# KiCad board Led_clock_sector.kicad_pcb
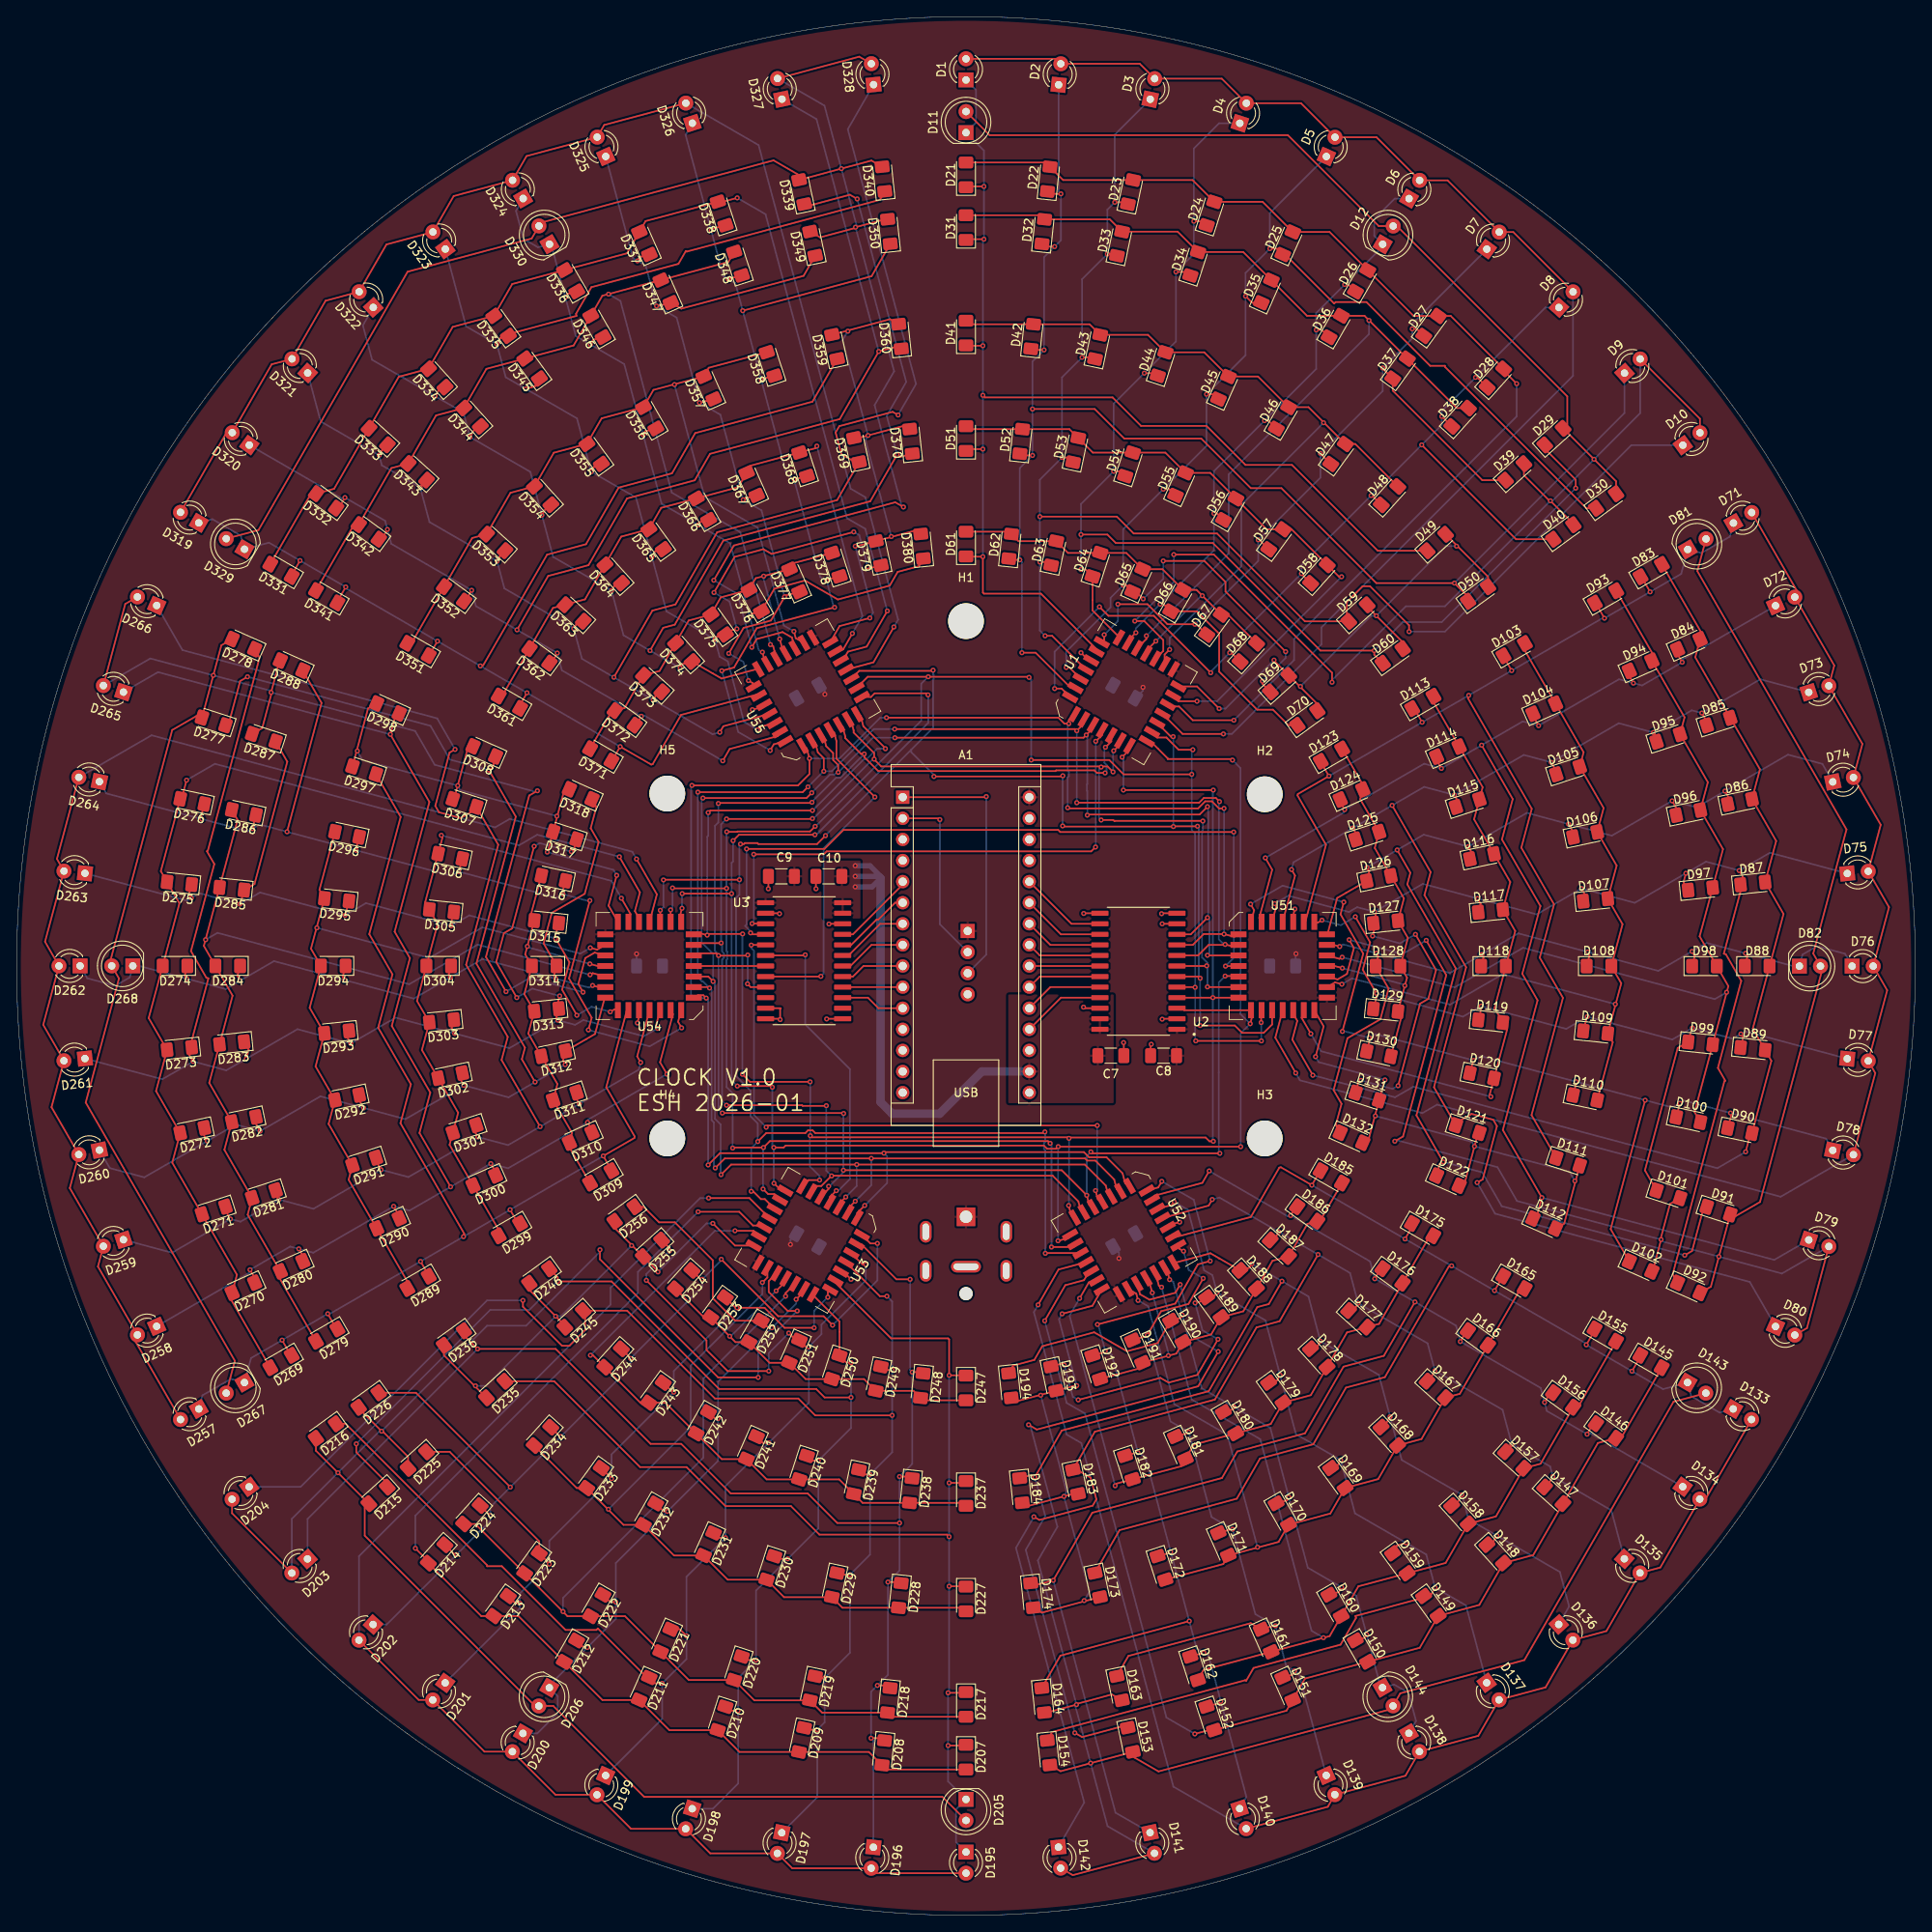
[diagram p0: board, top side]
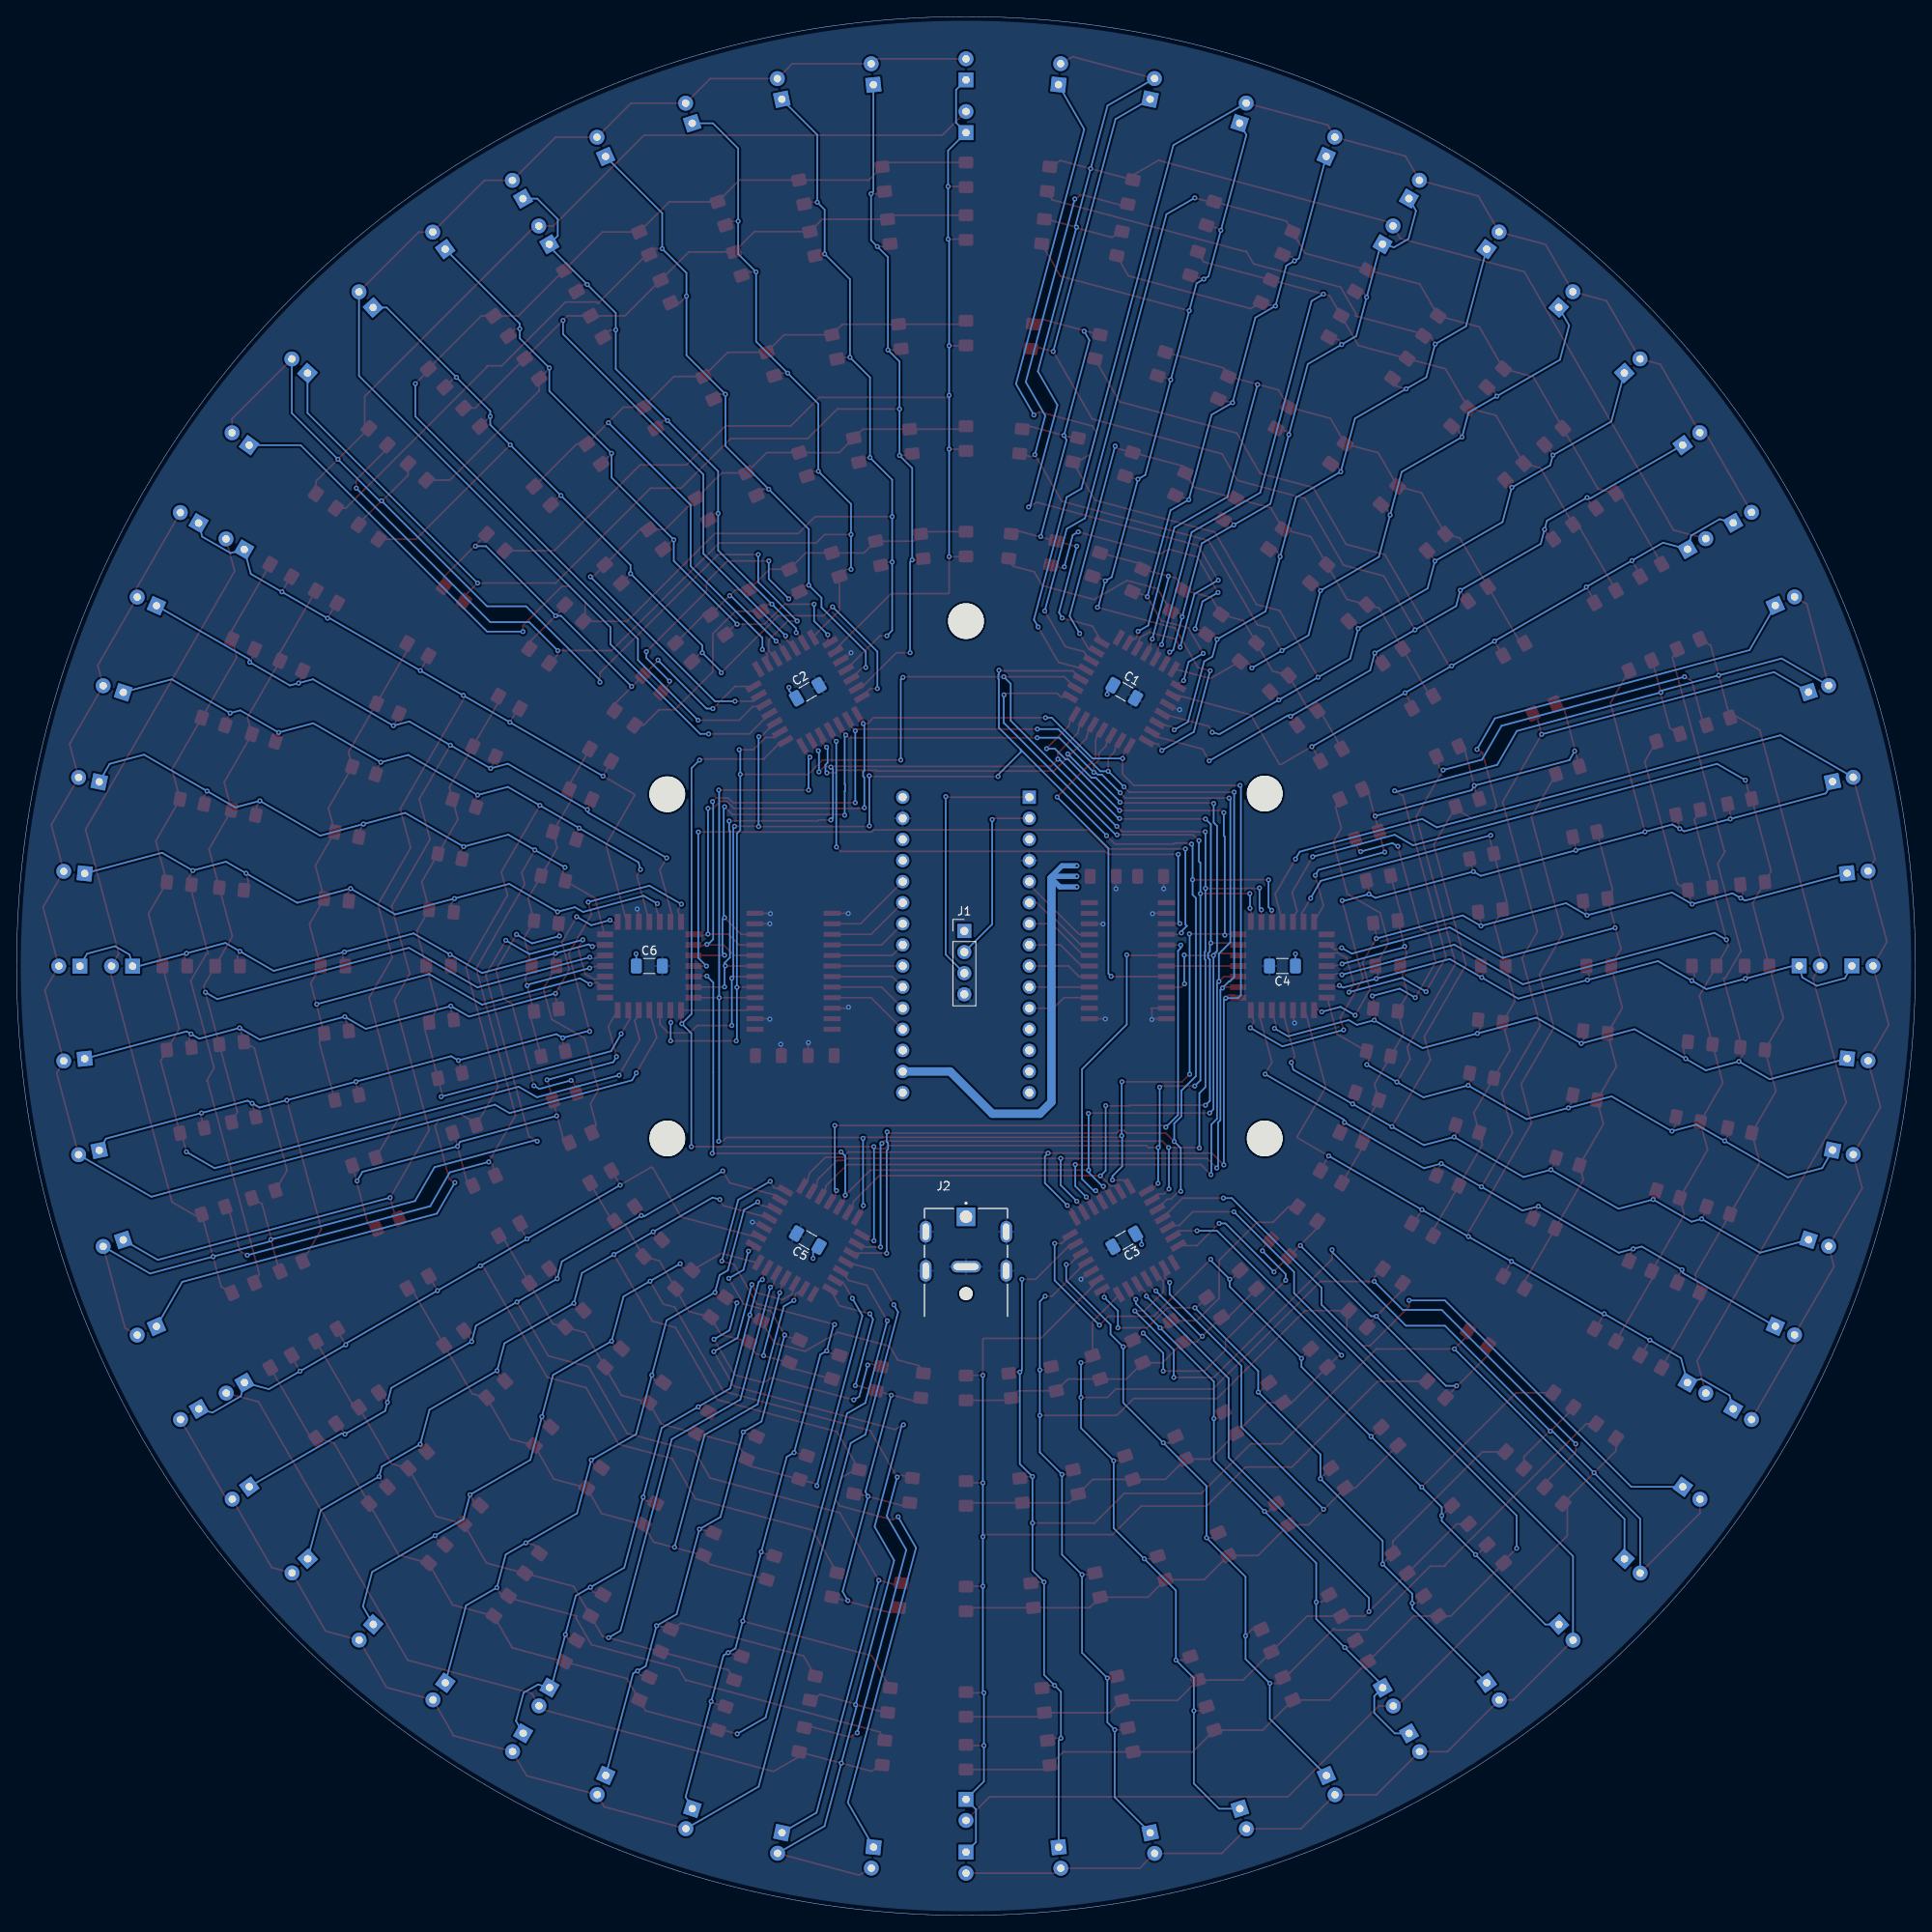
[diagram p1: board, bottom side, seen from below]

Outline 228.6 x 228.6 mm; copper layers: Top, Bottom. Coordinates in mm from the lower left corner of the outline.
Outline path: circle c114.3,114.3 r114.3

## Placement (name value [footprint] x y rotation side)
A1  Arduino_Nano_ESP32  [Arduino_Nano]  106.68 134.62 0 top
C1  0.1uF  [C_1206_3216Metric_Pad1.33x1.80mm_HandSolder]  95.25 147.32 210 bottom
C2  0.1uF  [C_1206_3216Metric_Pad1.33x1.80mm_HandSolder]  133.35 147.32 150 bottom
C3  0.1uF  [C_1206_3216Metric_Pad1.33x1.80mm_HandSolder]  95.25 81.28 330 bottom
C4  0.1uF  [C_1206_3216Metric_Pad1.33x1.80mm_HandSolder]  76.2 114.3 0 bottom
C5  0.1uF  [C_1206_3216Metric_Pad1.33x1.80mm_HandSolder]  133.35 81.31 30 bottom
C6  0.1uF  [C_1206_3216Metric_Pad1.33x1.80mm_HandSolder]  152.43 114.3 180 bottom
C7  0.1uF  [C_1206_3216Metric_Pad1.33x1.80mm_HandSolder]  131.74 103.51 0 top
C8  0.1uF  [C_1206_3216Metric_Pad1.33x1.80mm_HandSolder]  138.09 103.51 180 top
C9  0.1uF  [C_1206_3216Metric_Pad1.33x1.80mm_HandSolder]  92.08 125.1 180 top
C10  0.1uF  [C_1206_3216Metric_Pad1.33x1.80mm_HandSolder]  97.79 125.1 180 top
D1  LED  [LED_D3.0mm]  114.3 220.98 90 top
D2  LED  [LED_D3.0mm]  125.45 220.4 84 top
D3  LED  [LED_D3.0mm]  136.48 218.65 78 top
D4  LED  [LED_D3.0mm]  147.27 215.76 72 top
D5  LED  [LED_D3.0mm]  157.69 211.76 66 top
D6  LED  [LED_D3.0mm]  167.64 206.69 60 top
D7  LED  [LED_D3.0mm]  177 200.61 54 top
D8  LED  [LED_D3.0mm]  185.68 193.58 48 top
D9  LED  [LED_D3.0mm]  193.58 185.68 42 top
D10  LED  [LED_D3.0mm]  200.61 177 36 top
D11  LED  [LED_D5.0mm]  114.3 214.63 90 top
D12  LED  [LED_D5.0mm]  164.47 201.19 60 top
D21  LED  [LED_1206_3216Metric_Pad1.42x1.75mm_HandSolder]  114.3 209.55 90 top
D22  LED  [LED_1206_3216Metric_Pad1.42x1.75mm_HandSolder]  124.26 209.03 84 top
D23  LED  [LED_1206_3216Metric_Pad1.42x1.75mm_HandSolder]  134.1 207.47 78 top
D24  LED  [LED_1206_3216Metric_Pad1.42x1.75mm_HandSolder]  143.73 204.89 72 top
D25  LED  [LED_1206_3216Metric_Pad1.42x1.75mm_HandSolder]  153.04 201.32 66 top
D26  LED  [LED_1206_3216Metric_Pad1.42x1.75mm_HandSolder]  161.93 196.79 60 top
D27  LED  [LED_1206_3216Metric_Pad1.42x1.75mm_HandSolder]  170.29 191.36 54 top
D28  LED  [LED_1206_3216Metric_Pad1.42x1.75mm_HandSolder]  178.03 185.08 48 top
D29  LED  [LED_1206_3216Metric_Pad1.42x1.75mm_HandSolder]  185.08 178.03 42 top
D30  LED  [LED_1206_3216Metric_Pad1.42x1.75mm_HandSolder]  191.36 170.29 36 top
D31  LED  [LED_1206_3216Metric_Pad1.42x1.75mm_HandSolder]  114.3 203.2 90 top
D32  LED  [LED_1206_3216Metric_Pad1.42x1.75mm_HandSolder]  123.59 202.71 84 top
D33  LED  [LED_1206_3216Metric_Pad1.42x1.75mm_HandSolder]  132.78 201.26 78 top
D34  LED  [LED_1206_3216Metric_Pad1.42x1.75mm_HandSolder]  141.77 198.85 72 top
D35  LED  [LED_1206_3216Metric_Pad1.42x1.75mm_HandSolder]  150.46 195.51 66 top
D36  LED  [LED_1206_3216Metric_Pad1.42x1.75mm_HandSolder]  158.75 191.29 60 top
D37  LED  [LED_1206_3216Metric_Pad1.42x1.75mm_HandSolder]  166.55 186.22 54 top
D38  LED  [LED_1206_3216Metric_Pad1.42x1.75mm_HandSolder]  173.79 180.37 48 top
D39  LED  [LED_1206_3216Metric_Pad1.42x1.75mm_HandSolder]  180.37 173.79 42 top
D40  LED  [LED_1206_3216Metric_Pad1.42x1.75mm_HandSolder]  186.22 166.55 36 top
D41  LED  [LED_1206_3216Metric_Pad1.42x1.75mm_HandSolder]  114.3 190.5 90 top
D42  LED  [LED_1206_3216Metric_Pad1.42x1.75mm_HandSolder]  122.27 190.08 84 top
D43  LED  [LED_1206_3216Metric_Pad1.42x1.75mm_HandSolder]  130.14 188.83 78 top
D44  LED  [LED_1206_3216Metric_Pad1.42x1.75mm_HandSolder]  137.85 186.77 72 top
D45  LED  [LED_1206_3216Metric_Pad1.42x1.75mm_HandSolder]  145.29 183.91 66 top
D46  LED  [LED_1206_3216Metric_Pad1.42x1.75mm_HandSolder]  152.4 180.29 60 top
D47  LED  [LED_1206_3216Metric_Pad1.42x1.75mm_HandSolder]  159.09 175.95 54 top
D48  LED  [LED_1206_3216Metric_Pad1.42x1.75mm_HandSolder]  165.29 170.93 48 top
D49  LED  [LED_1206_3216Metric_Pad1.42x1.75mm_HandSolder]  170.93 165.29 42 top
D50  LED  [LED_1206_3216Metric_Pad1.42x1.75mm_HandSolder]  175.95 159.09 36 top
D51  LED  [LED_1206_3216Metric_Pad1.42x1.75mm_HandSolder]  114.3 177.8 90 top
D52  LED  [LED_1206_3216Metric_Pad1.42x1.75mm_HandSolder]  120.94 177.45 84 top
D53  LED  [LED_1206_3216Metric_Pad1.42x1.75mm_HandSolder]  127.5 176.41 78 top
D54  LED  [LED_1206_3216Metric_Pad1.42x1.75mm_HandSolder]  133.92 174.69 72 top
D55  LED  [LED_1206_3216Metric_Pad1.42x1.75mm_HandSolder]  140.13 172.31 66 top
D56  LED  [LED_1206_3216Metric_Pad1.42x1.75mm_HandSolder]  146.05 169.29 60 top
D57  LED  [LED_1206_3216Metric_Pad1.42x1.75mm_HandSolder]  151.62 165.67 54 top
D58  LED  [LED_1206_3216Metric_Pad1.42x1.75mm_HandSolder]  156.79 161.49 48 top
D59  LED  [LED_1206_3216Metric_Pad1.42x1.75mm_HandSolder]  161.49 156.79 42 top
D60  LED  [LED_1206_3216Metric_Pad1.42x1.75mm_HandSolder]  165.67 151.62 36 top
D61  LED  [LED_1206_3216Metric_Pad1.42x1.75mm_HandSolder]  114.3 165.1 90 top
D62  LED  [LED_1206_3216Metric_Pad1.42x1.75mm_HandSolder]  119.61 164.82 84 top
D63  LED  [LED_1206_3216Metric_Pad1.42x1.75mm_HandSolder]  124.86 163.99 78 top
D64  LED  [LED_1206_3216Metric_Pad1.42x1.75mm_HandSolder]  130 162.61 72 top
D65  LED  [LED_1206_3216Metric_Pad1.42x1.75mm_HandSolder]  134.96 160.71 66 top
D66  LED  [LED_1206_3216Metric_Pad1.42x1.75mm_HandSolder]  139.7 158.29 60 top
D67  LED  [LED_1206_3216Metric_Pad1.42x1.75mm_HandSolder]  144.16 155.4 54 top
D68  LED  [LED_1206_3216Metric_Pad1.42x1.75mm_HandSolder]  148.29 152.05 48 top
D69  LED  [LED_1206_3216Metric_Pad1.42x1.75mm_HandSolder]  152.05 148.29 42 top
D70  LED  [LED_1206_3216Metric_Pad1.42x1.75mm_HandSolder]  155.4 144.16 36 top
D71  LED  [LED_D3.0mm]  206.69 167.63 30 top
D72  LED  [LED_D3.0mm]  211.76 157.68 24 top
D73  LED  [LED_D3.0mm]  215.76 147.25 18 top
D74  LED  [LED_D3.0mm]  218.65 136.47 12 top
D75  LED  [LED_D3.0mm]  220.4 125.44 6 top
D76  LED  [LED_D3.0mm]  220.98 114.29 0 top
D77  LED  [LED_D3.0mm]  220.4 103.14 354 top
D78  LED  [LED_D3.0mm]  218.65 92.11 348 top
D79  LED  [LED_D3.0mm]  215.76 81.32 342 top
D80  LED  [LED_D3.0mm]  211.76 70.9 336 top
D81  LED  [LED_D5.0mm]  201.19 164.45 30 top
D82  LED  [LED_D5.0mm]  214.63 114.29 0 top
D83  LED  [LED_1206_3216Metric_Pad1.42x1.75mm_HandSolder]  196.79 161.91 30 top
D84  LED  [LED_1206_3216Metric_Pad1.42x1.75mm_HandSolder]  201.32 153.03 24 top
D85  LED  [LED_1206_3216Metric_Pad1.42x1.75mm_HandSolder]  204.89 143.72 18 top
D86  LED  [LED_1206_3216Metric_Pad1.42x1.75mm_HandSolder]  207.47 134.09 12 top
D87  LED  [LED_1206_3216Metric_Pad1.42x1.75mm_HandSolder]  209.03 124.24 6 top
D88  LED  [LED_1206_3216Metric_Pad1.42x1.75mm_HandSolder]  209.55 114.29 0 top
D89  LED  [LED_1206_3216Metric_Pad1.42x1.75mm_HandSolder]  209.03 104.33 354 top
D90  LED  [LED_1206_3216Metric_Pad1.42x1.75mm_HandSolder]  207.47 94.48 348 top
D91  LED  [LED_1206_3216Metric_Pad1.42x1.75mm_HandSolder]  204.89 84.85 342 top
D92  LED  [LED_1206_3216Metric_Pad1.42x1.75mm_HandSolder]  201.32 75.55 336 top
D93  LED  [LED_1206_3216Metric_Pad1.42x1.75mm_HandSolder]  191.29 158.74 30 top
D94  LED  [LED_1206_3216Metric_Pad1.42x1.75mm_HandSolder]  195.52 150.45 24 top
D95  LED  [LED_1206_3216Metric_Pad1.42x1.75mm_HandSolder]  198.85 141.76 18 top
D96  LED  [LED_1206_3216Metric_Pad1.42x1.75mm_HandSolder]  201.26 132.77 12 top
D97  LED  [LED_1206_3216Metric_Pad1.42x1.75mm_HandSolder]  202.72 123.58 6 top
D98  LED  [LED_1206_3216Metric_Pad1.42x1.75mm_HandSolder]  203.2 114.29 0 top
D99  LED  [LED_1206_3216Metric_Pad1.42x1.75mm_HandSolder]  202.72 105 354 top
D100  LED  [LED_1206_3216Metric_Pad1.42x1.75mm_HandSolder]  201.26 95.8 348 top
D101  LED  [LED_1206_3216Metric_Pad1.42x1.75mm_HandSolder]  198.85 86.82 342 top
D102  LED  [LED_1206_3216Metric_Pad1.42x1.75mm_HandSolder]  195.52 78.13 336 top
D103  LED  [LED_1206_3216Metric_Pad1.42x1.75mm_HandSolder]  180.3 152.39 30 top
D104  LED  [LED_1206_3216Metric_Pad1.42x1.75mm_HandSolder]  183.92 145.28 24 top
D105  LED  [LED_1206_3216Metric_Pad1.42x1.75mm_HandSolder]  186.77 137.83 18 top
D106  LED  [LED_1206_3216Metric_Pad1.42x1.75mm_HandSolder]  188.84 130.13 12 top
D107  LED  [LED_1206_3216Metric_Pad1.42x1.75mm_HandSolder]  190.09 122.25 6 top
D108  LED  [LED_1206_3216Metric_Pad1.42x1.75mm_HandSolder]  190.5 114.29 0 top
D109  LED  [LED_1206_3216Metric_Pad1.42x1.75mm_HandSolder]  190.09 106.32 354 top
D110  LED  [LED_1206_3216Metric_Pad1.42x1.75mm_HandSolder]  188.84 98.44 348 top
D111  LED  [LED_1206_3216Metric_Pad1.42x1.75mm_HandSolder]  186.77 90.74 342 top
D112  LED  [LED_1206_3216Metric_Pad1.42x1.75mm_HandSolder]  183.92 83.29 336 top
D113  LED  [LED_1206_3216Metric_Pad1.42x1.75mm_HandSolder]  169.3 146.04 30 top
D114  LED  [LED_1206_3216Metric_Pad1.42x1.75mm_HandSolder]  172.31 140.12 24 top
D115  LED  [LED_1206_3216Metric_Pad1.42x1.75mm_HandSolder]  174.7 133.91 18 top
D116  LED  [LED_1206_3216Metric_Pad1.42x1.75mm_HandSolder]  176.42 127.49 12 top
D117  LED  [LED_1206_3216Metric_Pad1.42x1.75mm_HandSolder]  177.46 120.93 6 top
D118  LED  [LED_1206_3216Metric_Pad1.42x1.75mm_HandSolder]  177.8 114.29 0 top
D119  LED  [LED_1206_3216Metric_Pad1.42x1.75mm_HandSolder]  177.46 107.65 354 top
D120  LED  [LED_1206_3216Metric_Pad1.42x1.75mm_HandSolder]  176.42 101.09 348 top
D121  LED  [LED_1206_3216Metric_Pad1.42x1.75mm_HandSolder]  174.7 94.67 342 top
D122  LED  [LED_1206_3216Metric_Pad1.42x1.75mm_HandSolder]  172.31 88.46 336 top
D123  LED  [LED_1206_3216Metric_Pad1.42x1.75mm_HandSolder]  158.3 139.69 30 top
D124  LED  [LED_1206_3216Metric_Pad1.42x1.75mm_HandSolder]  160.71 134.95 24 top
D125  LED  [LED_1206_3216Metric_Pad1.42x1.75mm_HandSolder]  162.62 129.99 18 top
D126  LED  [LED_1206_3216Metric_Pad1.42x1.75mm_HandSolder]  163.99 124.85 12 top
D127  LED  [LED_1206_3216Metric_Pad1.42x1.75mm_HandSolder]  164.83 119.6 6 top
D128  LED  [LED_1206_3216Metric_Pad1.42x1.75mm_HandSolder]  165.1 114.29 0 top
D129  LED  [LED_1206_3216Metric_Pad1.42x1.75mm_HandSolder]  164.83 108.98 354 top
D130  LED  [LED_1206_3216Metric_Pad1.42x1.75mm_HandSolder]  163.99 103.73 348 top
D131  LED  [LED_1206_3216Metric_Pad1.42x1.75mm_HandSolder]  162.62 98.59 342 top
D132  LED  [LED_1206_3216Metric_Pad1.42x1.75mm_HandSolder]  160.71 93.63 336 top
D133  LED  [LED_D3.0mm]  206.67 60.97 330 top
D134  LED  [LED_D3.0mm]  200.58 51.61 324 top
D135  LED  [LED_D3.0mm]  193.56 42.93 318 top
D136  LED  [LED_D3.0mm]  185.66 35.03 312 top
D137  LED  [LED_D3.0mm]  176.98 28.01 306 top
D138  LED  [LED_D3.0mm]  167.62 21.93 300 top
D139  LED  [LED_D3.0mm]  157.67 16.86 294 top
D140  LED  [LED_D3.0mm]  147.24 12.85 288 top
D141  LED  [LED_D3.0mm]  136.46 9.96 282 top
D142  LED  [LED_D3.0mm]  125.43 8.22 276 top
D143  LED  [LED_D5.0mm]  201.17 64.15 330 top
D144  LED  [LED_D5.0mm]  164.44 27.42 300 top
D145  LED  [LED_1206_3216Metric_Pad1.42x1.75mm_HandSolder]  196.77 66.69 330 top
D146  LED  [LED_1206_3216Metric_Pad1.42x1.75mm_HandSolder]  191.34 58.33 324 top
D147  LED  [LED_1206_3216Metric_Pad1.42x1.75mm_HandSolder]  185.06 50.58 318 top
D148  LED  [LED_1206_3216Metric_Pad1.42x1.75mm_HandSolder]  178.01 43.53 312 top
D149  LED  [LED_1206_3216Metric_Pad1.42x1.75mm_HandSolder]  170.27 37.25 306 top
D150  LED  [LED_1206_3216Metric_Pad1.42x1.75mm_HandSolder]  161.9 31.82 300 top
D151  LED  [LED_1206_3216Metric_Pad1.42x1.75mm_HandSolder]  153.02 27.3 294 top
D152  LED  [LED_1206_3216Metric_Pad1.42x1.75mm_HandSolder]  143.71 23.73 288 top
D153  LED  [LED_1206_3216Metric_Pad1.42x1.75mm_HandSolder]  134.08 21.14 282 top
D154  LED  [LED_1206_3216Metric_Pad1.42x1.75mm_HandSolder]  124.24 19.58 276 top
D155  LED  [LED_1206_3216Metric_Pad1.42x1.75mm_HandSolder]  191.27 69.86 330 top
D156  LED  [LED_1206_3216Metric_Pad1.42x1.75mm_HandSolder]  186.2 62.06 324 top
D157  LED  [LED_1206_3216Metric_Pad1.42x1.75mm_HandSolder]  180.34 54.83 318 top
D158  LED  [LED_1206_3216Metric_Pad1.42x1.75mm_HandSolder]  173.76 48.25 312 top
D159  LED  [LED_1206_3216Metric_Pad1.42x1.75mm_HandSolder]  166.53 42.39 306 top
D160  LED  [LED_1206_3216Metric_Pad1.42x1.75mm_HandSolder]  158.73 37.32 300 top
D161  LED  [LED_1206_3216Metric_Pad1.42x1.75mm_HandSolder]  150.44 33.1 294 top
D162  LED  [LED_1206_3216Metric_Pad1.42x1.75mm_HandSolder]  141.75 29.76 288 top
D163  LED  [LED_1206_3216Metric_Pad1.42x1.75mm_HandSolder]  132.76 27.36 282 top
D164  LED  [LED_1206_3216Metric_Pad1.42x1.75mm_HandSolder]  123.57 25.9 276 top
D165  LED  [LED_1206_3216Metric_Pad1.42x1.75mm_HandSolder]  180.27 76.21 330 top
D166  LED  [LED_1206_3216Metric_Pad1.42x1.75mm_HandSolder]  175.93 69.52 324 top
D167  LED  [LED_1206_3216Metric_Pad1.42x1.75mm_HandSolder]  170.91 63.33 318 top
D168  LED  [LED_1206_3216Metric_Pad1.42x1.75mm_HandSolder]  165.27 57.69 312 top
D169  LED  [LED_1206_3216Metric_Pad1.42x1.75mm_HandSolder]  159.07 52.67 306 top
D170  LED  [LED_1206_3216Metric_Pad1.42x1.75mm_HandSolder]  152.38 48.32 300 top
D171  LED  [LED_1206_3216Metric_Pad1.42x1.75mm_HandSolder]  145.27 44.7 294 top
D172  LED  [LED_1206_3216Metric_Pad1.42x1.75mm_HandSolder]  137.83 41.84 288 top
D173  LED  [LED_1206_3216Metric_Pad1.42x1.75mm_HandSolder]  130.12 39.78 282 top
D174  LED  [LED_1206_3216Metric_Pad1.42x1.75mm_HandSolder]  122.24 38.53 276 top
D175  LED  [LED_1206_3216Metric_Pad1.42x1.75mm_HandSolder]  169.27 82.56 330 top
D176  LED  [LED_1206_3216Metric_Pad1.42x1.75mm_HandSolder]  165.65 76.99 324 top
D177  LED  [LED_1206_3216Metric_Pad1.42x1.75mm_HandSolder]  161.47 71.82 318 top
D178  LED  [LED_1206_3216Metric_Pad1.42x1.75mm_HandSolder]  156.77 67.12 312 top
D179  LED  [LED_1206_3216Metric_Pad1.42x1.75mm_HandSolder]  151.6 62.94 306 top
D180  LED  [LED_1206_3216Metric_Pad1.42x1.75mm_HandSolder]  146.03 59.32 300 top
D181  LED  [LED_1206_3216Metric_Pad1.42x1.75mm_HandSolder]  140.11 56.3 294 top
D182  LED  [LED_1206_3216Metric_Pad1.42x1.75mm_HandSolder]  133.9 53.92 288 top
D183  LED  [LED_1206_3216Metric_Pad1.42x1.75mm_HandSolder]  127.48 52.2 282 top
D184  LED  [LED_1206_3216Metric_Pad1.42x1.75mm_HandSolder]  120.92 51.16 276 top
D185  LED  [LED_1206_3216Metric_Pad1.42x1.75mm_HandSolder]  158.27 88.91 330 top
D186  LED  [LED_1206_3216Metric_Pad1.42x1.75mm_HandSolder]  155.38 84.45 324 top
D187  LED  [LED_1206_3216Metric_Pad1.42x1.75mm_HandSolder]  152.03 80.32 318 top
D188  LED  [LED_1206_3216Metric_Pad1.42x1.75mm_HandSolder]  148.27 76.56 312 top
D189  LED  [LED_1206_3216Metric_Pad1.42x1.75mm_HandSolder]  144.14 73.22 306 top
D190  LED  [LED_1206_3216Metric_Pad1.42x1.75mm_HandSolder]  139.68 70.32 300 top
D191  LED  [LED_1206_3216Metric_Pad1.42x1.75mm_HandSolder]  134.94 67.91 294 top
D192  LED  [LED_1206_3216Metric_Pad1.42x1.75mm_HandSolder]  129.98 66 288 top
D193  LED  [LED_1206_3216Metric_Pad1.42x1.75mm_HandSolder]  124.84 64.62 282 top
D194  LED  [LED_1206_3216Metric_Pad1.42x1.75mm_HandSolder]  119.59 63.79 276 top
D195  LED  [LED_D3.0mm]  114.3 7.62 270 top
D196  LED  [LED_D3.0mm]  103.15 8.2 264 top
D197  LED  [LED_D3.0mm]  92.12 9.95 258 top
D198  LED  [LED_D3.0mm]  81.33 12.84 252 top
D199  LED  [LED_D3.0mm]  70.91 16.84 246 top
D200  LED  [LED_D3.0mm]  60.96 21.91 240 top
D201  LED  [LED_D3.0mm]  51.6 27.99 234 top
D202  LED  [LED_D3.0mm]  42.92 35.02 228 top
D203  LED  [LED_D3.0mm]  35.02 42.92 222 top
D204  LED  [LED_D3.0mm]  27.99 51.6 216 top
D205  LED  [LED_D5.0mm]  114.3 13.97 270 top
D206  LED  [LED_D5.0mm]  64.14 27.41 240 top
D207  LED  [LED_1206_3216Metric_Pad1.42x1.75mm_HandSolder]  114.3 19.05 270 top
D208  LED  [LED_1206_3216Metric_Pad1.42x1.75mm_HandSolder]  104.34 19.57 264 top
D209  LED  [LED_1206_3216Metric_Pad1.42x1.75mm_HandSolder]  94.5 21.13 258 top
D210  LED  [LED_1206_3216Metric_Pad1.42x1.75mm_HandSolder]  84.87 23.71 252 top
D211  LED  [LED_1206_3216Metric_Pad1.42x1.75mm_HandSolder]  75.56 27.28 246 top
D212  LED  [LED_1206_3216Metric_Pad1.42x1.75mm_HandSolder]  66.68 31.81 240 top
D213  LED  [LED_1206_3216Metric_Pad1.42x1.75mm_HandSolder]  58.31 37.24 234 top
D214  LED  [LED_1206_3216Metric_Pad1.42x1.75mm_HandSolder]  50.57 43.52 228 top
D215  LED  [LED_1206_3216Metric_Pad1.42x1.75mm_HandSolder]  43.52 50.57 222 top
D216  LED  [LED_1206_3216Metric_Pad1.42x1.75mm_HandSolder]  37.24 58.31 216 top
D217  LED  [LED_1206_3216Metric_Pad1.42x1.75mm_HandSolder]  114.3 25.4 270 top
D218  LED  [LED_1206_3216Metric_Pad1.42x1.75mm_HandSolder]  105.01 25.89 264 top
D219  LED  [LED_1206_3216Metric_Pad1.42x1.75mm_HandSolder]  95.82 27.34 258 top
D220  LED  [LED_1206_3216Metric_Pad1.42x1.75mm_HandSolder]  86.83 29.75 252 top
D221  LED  [LED_1206_3216Metric_Pad1.42x1.75mm_HandSolder]  78.14 33.09 246 top
D222  LED  [LED_1206_3216Metric_Pad1.42x1.75mm_HandSolder]  69.85 37.31 240 top
D223  LED  [LED_1206_3216Metric_Pad1.42x1.75mm_HandSolder]  62.05 42.38 234 top
D224  LED  [LED_1206_3216Metric_Pad1.42x1.75mm_HandSolder]  54.81 48.23 228 top
D225  LED  [LED_1206_3216Metric_Pad1.42x1.75mm_HandSolder]  48.23 54.81 222 top
D226  LED  [LED_1206_3216Metric_Pad1.42x1.75mm_HandSolder]  42.38 62.05 216 top
D227  LED  [LED_1206_3216Metric_Pad1.42x1.75mm_HandSolder]  114.3 38.1 270 top
D228  LED  [LED_1206_3216Metric_Pad1.42x1.75mm_HandSolder]  106.33 38.52 264 top
D229  LED  [LED_1206_3216Metric_Pad1.42x1.75mm_HandSolder]  98.46 39.77 258 top
D230  LED  [LED_1206_3216Metric_Pad1.42x1.75mm_HandSolder]  90.75 41.83 252 top
D231  LED  [LED_1206_3216Metric_Pad1.42x1.75mm_HandSolder]  83.31 44.69 246 top
D232  LED  [LED_1206_3216Metric_Pad1.42x1.75mm_HandSolder]  76.2 48.31 240 top
D233  LED  [LED_1206_3216Metric_Pad1.42x1.75mm_HandSolder]  69.51 52.65 234 top
D234  LED  [LED_1206_3216Metric_Pad1.42x1.75mm_HandSolder]  63.31 57.67 228 top
D235  LED  [LED_1206_3216Metric_Pad1.42x1.75mm_HandSolder]  57.67 63.31 222 top
D236  LED  [LED_1206_3216Metric_Pad1.42x1.75mm_HandSolder]  52.65 69.51 216 top
D237  LED  [LED_1206_3216Metric_Pad1.42x1.75mm_HandSolder]  114.3 50.8 270 top
D238  LED  [LED_1206_3216Metric_Pad1.42x1.75mm_HandSolder]  107.66 51.15 264 top
D239  LED  [LED_1206_3216Metric_Pad1.42x1.75mm_HandSolder]  101.1 52.19 258 top
D240  LED  [LED_1206_3216Metric_Pad1.42x1.75mm_HandSolder]  94.68 53.91 252 top
D241  LED  [LED_1206_3216Metric_Pad1.42x1.75mm_HandSolder]  88.47 56.29 246 top